# Altium PCB PCB_MotherBoard.PcbDoc (part 3 of 4)
Units mm, origin at the board's own origin, x right, y up, seen from the top; angles counter-clockwise.
Board outline 240 x 180 mm, 6 copper layers (Top Layer, Int1 (GND), Int2 (Sign), Int3 (Sign), Int4 (PWR), Bottom Layer), stack 1.481 mm thick; 214 components, 253 nets, 1237 pads, 870 vias.
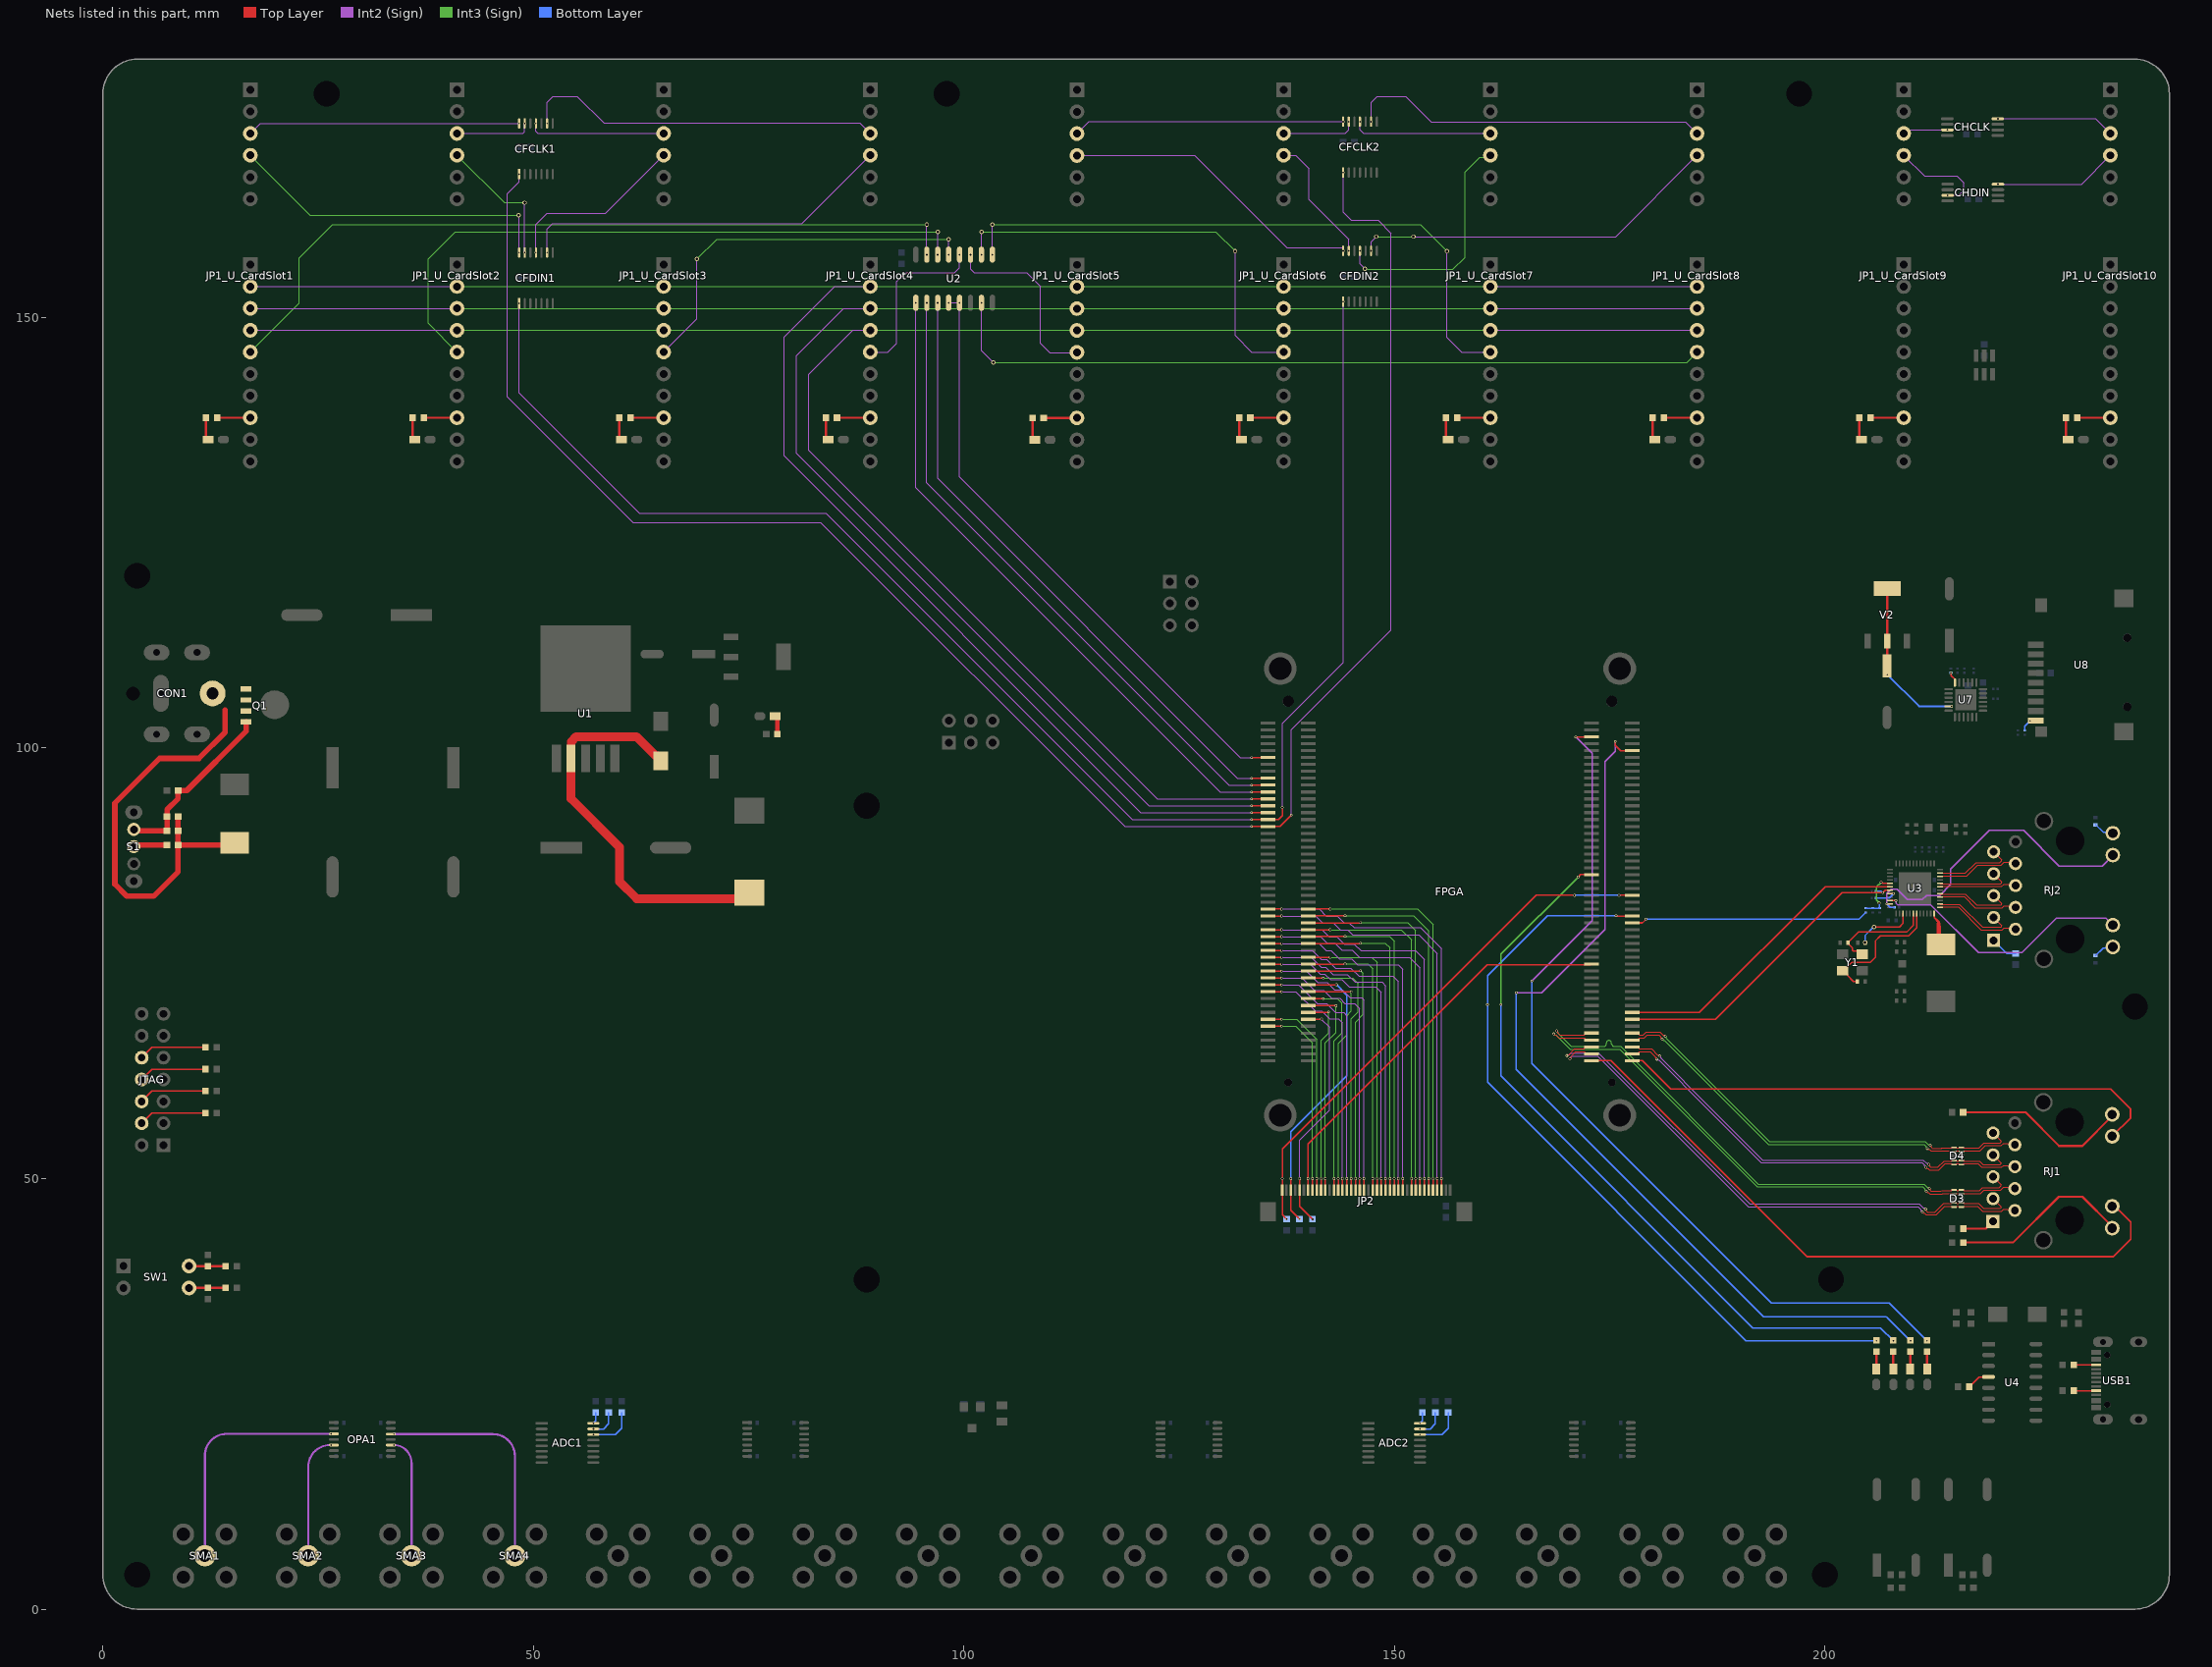
[diagram p7: the nets of this part, all layers, seen from the top]

## Via types
v1: diameter 0.3, hole 0.2, Top Layer to Bottom Layer, tented both sides, 435 vias
v2: diameter 0.5, hole 0.3, Top Layer to Bottom Layer, tented both sides, 268 vias
v3: diameter 0.5, hole 0.3, Top Layer to Bottom Layer, 118 vias
v4: diameter 0.35, hole 0.2, Top Layer to Bottom Layer, tented both sides, 16 vias
v5: diameter 1, hole 0.6, Top Layer to Bottom Layer, tented both sides, 12 vias
v6: diameter 0.45, hole 0.3, Top Layer to Bottom Layer, tented both sides, 12 vias
v7: diameter 0.61, hole 0.305, Top Layer to Bottom Layer, tented both sides, 4 vias
v8: diameter 2, hole 1.5, Top Layer to Bottom Layer, 4 vias
v9: diameter 0.6, hole 0.4, Top Layer to Bottom Layer, tented both sides, 1 vias

## Nets (pads, with @x,y where several pads share a name; then routed paths per layer and width w, separated by ;. In a path a pad name is that pad's centre, name@x,y a point inside that pad or via, vN(x,y) a via of type N, cw(c..) or ccw(c..) an arc to the next point about the centre after c; other vN are vias at no path point) (continued)
HSCLK9: CHCLK.3 JP1_U_CardSlot9.3 | length 5.2
  Int2 (Sign) w0.142: JP1_U_CardSlot9.3@209.143,171.385 209.554,171.385 209.969,171.8 v1(214.213,171.8)
HSCLK10: CHCLK.8 JP1_U_CardSlot10.3 | length 13.8
  Int2 (Sign) w0.142: v1(220.1,173.1) 231.428,173.1 JP1_U_CardSlot10.3@233.143,171.385
HSDIN9: CHDIN.3 JP1_U_CardSlot9.4 | length 11.3
  Int2 (Sign) w0.142: JP1_U_CardSlot9.4@209.143,168.845 211.563,166.425 215.325,166.425 216.125,165.625 216.125,164.764 215.556,164.194 v1(214.238,164.194)
HSDIN10: CHDIN.8 JP1_U_CardSlot10.4 | length 14.4
  Int2 (Sign) w0.142: v1(220.092,165.5) 229.798,165.5 JP1_U_CardSlot10.4@233.143,168.845
IIC_SCL: FPGA.J1_24 JP2.3 R38.1 | length 34.1
  Top Layer w0.156: v1(137.975,50) JP2.3@137.975,48.65 137.975,46.325 v1(139,45.3) ; FPGA.J1_24@140.016,72.5 140.028,72.513 143.238,72.513 v1(143.25,72.525)
  Bottom Layer w0.156: v1(137.975,50) 137.975,55.45 144.475,61.95 144.475,71.3 v1(143.25,72.525)
IIC_SDA: FPGA.J1_14 JP2.5 R37.1 | length 27.2
  Top Layer w0.156: v1(138.975,50) JP2.5@138.975,48.65 138.975,46.8 v1(140.5,45.275) ; FPGA.J1_14@140.016,68.5 140.028,68.513 141.513,68.513 v1(141.525,68.525)
  Int2 (Sign) w0.142: v1(138.975,50) 138.975,54.45 142.45,57.925 142.45,67.6 v1(141.525,68.525)
LAD0: FPGA.J1_73 JP1_U_CardSlot1.8 JP1_U_CardSlot2.8 JP1_U_CardSlot3.8 JP1_U_CardSlot4.8 JP1_U_CardSlot5.8 JP1_U_CardSlot6.8 JP1_U_CardSlot7.8 JP1_U_CardSlot8.8 | length 267.6
  Top Layer w0.156: v1(133.4,92.5) FPGA.J1_73@135.316,92.5
  Int2 (Sign) w0.142: JP1_U_CardSlot1.8@17.125,153.61 JP1_U_CardSlot2.8@41.125,153.61 ; JP1_U_CardSlot4.8@89.125,153.61 85.001,153.61 79.125,147.734 79.125,133.925 120.55,92.5 v1(133.4,92.5) ; JP1_U_CardSlot7.8@161.143,153.605 JP1_U_CardSlot8.8@185.143,153.605
  Int3 (Sign) w0.142: JP1_U_CardSlot2.8@41.125,153.61 JP1_U_CardSlot3.8@65.125,153.61 JP1_U_CardSlot4.8@89.125,153.61 89.138,153.598 113.113,153.598 JP1_U_CardSlot5.8@113.125,153.585 113.137,153.598 137.112,153.598 JP1_U_CardSlot6.8@137.125,153.61 137.127,153.608 161.141,153.608 JP1_U_CardSlot7.8@161.143,153.605
LAD1: FPGA.J1_75 JP1_U_CardSlot1.9 JP1_U_CardSlot2.9 JP1_U_CardSlot3.9 JP1_U_CardSlot4.9 JP1_U_CardSlot5.9 JP1_U_CardSlot6.9 JP1_U_CardSlot7.9 JP1_U_CardSlot8.9 | length 262
  Top Layer w0.156: v1(133.4,93.3) FPGA.J1_75@135.316,93.3
  Int2 (Sign) w0.142: JP1_U_CardSlot1.9@17.125,151.07 JP1_U_CardSlot2.9@41.125,151.07 ; JP1_U_CardSlot4.9@89.125,151.07 86.053,151.07 80.55,145.567 80.55,134.225 121.475,93.3 v1(133.4,93.3) ; JP1_U_CardSlot7.9@161.143,151.065 JP1_U_CardSlot8.9@185.143,151.065
  Int3 (Sign) w0.142: JP1_U_CardSlot2.9@41.125,151.07 JP1_U_CardSlot3.9@65.125,151.07 JP1_U_CardSlot4.9@89.125,151.07 89.138,151.058 113.113,151.058 JP1_U_CardSlot5.9@113.125,151.045 113.137,151.058 137.112,151.058 JP1_U_CardSlot6.9@137.125,151.07 137.127,151.068 161.141,151.068 JP1_U_CardSlot7.9@161.143,151.065
LAD2: FPGA.J1_77 JP1_U_CardSlot1.10 JP1_U_CardSlot2.10 JP1_U_CardSlot3.10 JP1_U_CardSlot4.10 JP1_U_CardSlot5.10 JP1_U_CardSlot6.10 JP1_U_CardSlot7.10 JP1_U_CardSlot8.10 | length 256.2
  Top Layer w0.156: v1(133.4,94.1) FPGA.J1_77@135.316,94.1
  Int2 (Sign) w0.142: JP1_U_CardSlot1.10@17.125,148.53 JP1_U_CardSlot2.10@41.125,148.53 ; JP1_U_CardSlot4.10@89.125,148.53 87.105,148.53 82,143.425 82,134.575 122.475,94.1 v1(133.4,94.1) ; JP1_U_CardSlot7.10@161.143,148.525 JP1_U_CardSlot8.10@185.143,148.525
  Int3 (Sign) w0.142: JP1_U_CardSlot2.10@41.125,148.53 JP1_U_CardSlot3.10@65.125,148.53 JP1_U_CardSlot4.10@89.125,148.53 89.138,148.518 113.113,148.518 JP1_U_CardSlot5.10@113.125,148.505 113.137,148.518 137.112,148.518 JP1_U_CardSlot6.10@137.125,148.53 137.127,148.528 161.141,148.528 JP1_U_CardSlot7.10@161.143,148.525
LAD3: FPGA.J1_79 U2.1 | length 77
  Top Layer w0.156: v1(133.4,94.9) FPGA.J1_79@135.316,94.9
  Int2 (Sign) w0.142: v1(94.42,151.712) 94.42,130.263 129.783,94.9 v1(133.4,94.9)
LAD4: FPGA.J1_81 U2.2 | length 75.1
  Top Layer w0.156: v1(133.4,95.701) FPGA.J1_81@135.316,95.701
  Int2 (Sign) w0.142: v1(95.69,151.712) 95.69,130.789 130.778,95.701 v1(133.4,95.701)
LAD5: FPGA.J1_83 U2.3 | length 73.2
  Top Layer w0.156: v1(133.4,96.501) FPGA.J1_83@135.316,96.501
  Int2 (Sign) w0.142: v1(96.96,151.712) 96.96,131.315 131.774,96.501 v1(133.4,96.501)
LCD_B0: FPGA.J1_27 JP2.20 | length 34.6
  Top Layer w0.156: FPGA.J1_27@135.316,74.1 v1(136.9,74.1) ; JP2.20@146.475,48.65 v1(146.475,50)
  Int2 (Sign) w0.142: v1(136.9,74.1) 139.775,74.1 141.125,72.75 142.2,72.75 143.05,71.9 143.975,71.9 144.875,71 146.225,71 146.475,70.75 v1(146.475,50)
LCD_B1: FPGA.J1_25 JP2.19 | length 33.2
  Top Layer w0.156: FPGA.J1_25@135.316,73.3 v1(136.9,73.3) ; JP2.19@145.975,48.65 v1(145.975,50)
  Int2 (Sign) w0.142: v1(136.9,73.3) 139.275,73.3 140.725,71.85 141.8,71.85 142.725,70.925 143.65,70.925 144.25,70.325 145.4,70.325 145.975,69.75 v1(145.975,50)
LCD_B2: FPGA.J1_28 JP2.18 | length 32
  Top Layer w0.156: FPGA.J1_28@140.016,74.1 145.961,74.1 146.011,74.15 v1(146.05,74.15) ; JP2.18@145.475,48.65 v1(145.475,50)
  Int3 (Sign) w0.142: v1(145.475,50) 145.475,68.175 146.35,69.05 146.35,73.85 v1(146.05,74.15)
LCD_B3: FPGA.J1_26 JP2.17 | length 30.4
  Top Layer w0.156: FPGA.J1_26@140.016,73.3 140.028,73.288 141.712,73.288 v1(141.725,73.275) ; JP2.17@144.975,48.65 v1(144.975,50)
  Int3 (Sign) w0.142: v1(141.725,73.275) 145.15,73.275 145.775,72.65 145.775,69.35 144.975,68.55 v1(144.975,50)
LCD_B4: FPGA.J1_23 JP2.16 | length 30.9
  Top Layer w0.156: FPGA.J1_23@135.316,72.5 v1(136.9,72.5) ; JP2.16@144.475,48.65 v1(144.475,50)
  Int2 (Sign) w0.142: v1(136.9,72.5) 138.875,72.5 141.075,70.3 142.122,70.3 143.147,69.275 144.1,69.275 144.475,68.9 v1(144.475,50)
LCD_B5: FPGA.J1_21 JP2.15 | length 29.6
  Top Layer w0.156: FPGA.J1_21@135.316,71.7 v1(136.9,71.7) ; JP2.15@143.975,48.65 v1(143.975,50)
  Int2 (Sign) w0.142: v1(136.9,71.7) 138.55,71.7 140.8,69.45 141.578,69.45 142.478,68.55 143.525,68.55 143.975,68.1 v1(143.975,50)
LCD_B6: FPGA.J1_22 JP2.14 | length 28.7
  Top Layer w0.156: FPGA.J1_22@140.016,71.7 140.041,71.675 v1(145,71.675) ; JP2.14@143.475,48.65 v1(143.475,50)
  Int3 (Sign) w0.142: v1(143.475,50) 143.475,65.725 144.45,66.7 144.45,68.925 145,69.475 v1(145,71.675)
LCD_B7: FPGA.J1_20 JP2.13 | length 26.2
  Top Layer w0.156: FPGA.J1_20@140.016,70.9 v1(141.725,70.9) ; JP2.13@142.975,48.65 v1(142.975,50)
  Int3 (Sign) w0.142: v1(141.725,70.9) 143.375,70.9 143.9,70.375 143.9,66.925 142.975,66 v1(142.975,50)
LCD_BL: FPGA.J2_29 JP2.7 | length 46.9
  Top Layer w0.156: JP2.7@139.975,48.65 v1(139.975,50) 139.975,54.025 160.772,74.822 172.822,74.822 FPGA.J2_29@172.9,74.9
LCD_CLK: FPGA.J1_18 JP2.11 | length 25.1
  Top Layer w0.156: FPGA.J1_18@140.016,70.1 140.028,70.087 143.188,70.087 v1(143.2,70.075) ; JP2.11@141.975,48.65 v1(141.975,50)
  Int3 (Sign) w0.142: v1(141.975,50) 141.975,65.75 143.2,66.975 v1(143.2,70.075)
LCD_DE: FPGA.J1_11 JP2.8 | length 23.1
  Top Layer w0.156: FPGA.J1_11@135.316,67.7 v1(136.9,67.7) ; JP2.8@140.475,48.65 v1(140.475,50)
  Int3 (Sign) w0.142: v1(136.9,67.7) 138.525,67.7 140.475,65.75 v1(140.475,50)
LCD_G0: FPGA.J1_35 JP2.29 | length 42.6
  Top Layer w0.156: FPGA.J1_35@135.316,77.3 v1(136.9,77.3) ; JP2.29@150.975,48.65 v1(150.975,50)
  Int2 (Sign) w0.142: v1(136.9,77.3) 141.25,77.3 142.075,76.475 142.65,76.475 143.625,75.5 145.025,75.5 145.7,74.825 150.45,74.825 150.975,74.3 v1(150.975,50)
LCD_G1: FPGA.J1_33 JP2.28 | length 40.9
  Top Layer w0.156: FPGA.J1_33@135.316,76.5 v1(136.9,76.5) ; JP2.28@150.475,48.65 v1(150.475,50)
  Int2 (Sign) w0.142: v1(136.9,76.5) 140.475,76.5 141.5,75.475 142.103,75.475 143.128,74.45 144.95,74.45 145.875,73.525 149.85,73.525 150.475,72.9 v1(150.475,50)
LCD_G2: FPGA.J1_38 JP2.27 | length 39.1
  Top Layer w0.156: FPGA.J1_38@140.016,78.1 140.028,78.112 144.263,78.112 v1(144.275,78.125) ; JP2.27@149.975,48.65 v1(149.975,50)
  Int3 (Sign) w0.142: v1(144.275,78.125) 149.425,78.125 149.975,77.575 v1(149.975,50)
LCD_G3: FPGA.J1_36 JP2.26 | length 37.9
  Top Layer w0.156: FPGA.J1_36@140.016,77.3 145.961,77.3 146.011,77.35 v1(146.05,77.35) ; JP2.26@149.475,48.65 v1(149.475,50)
  Int3 (Sign) w0.142: v1(146.05,77.35) 148.925,77.35 149.475,76.8 v1(149.475,50)
LCD_G4: FPGA.J1_31 JP2.25 | length 38.8
  Top Layer w0.156: FPGA.J1_31@135.316,75.7 v1(136.9,75.7) ; JP2.25@148.975,48.65 v1(148.975,50)
  Int2 (Sign) w0.142: v1(136.9,75.7) 140.375,75.7 141.525,74.55 142,74.55 142.85,73.7 144.55,73.7 145.425,72.825 148.55,72.825 148.975,72.4 v1(148.975,50)
LCD_G5: FPGA.J1_29 JP2.24 | length 37.5
  Top Layer w0.156: FPGA.J1_29@135.316,74.9 v1(136.9,74.9) ; JP2.24@148.475,48.65 v1(148.475,50)
  Int2 (Sign) w0.142: v1(136.9,74.9) 140.23,74.9 141.38,73.75 141.922,73.75 142.568,73.104 143.896,73.104 144.725,72.275 147.85,72.275 148.475,71.65 v1(148.475,50)
LCD_G6: FPGA.J1_32 JP2.23 | length 34.7
  Top Layer w0.156: FPGA.J1_32@140.016,75.7 v1(142.55,75.7) ; JP2.23@147.975,48.65 v1(147.975,50)
  Int3 (Sign) w0.142: v1(142.55,75.7) 147.375,75.7 147.975,75.1 v1(147.975,50)
LCD_G7: FPGA.J1_30 JP2.22 | length 33.4
  Top Layer w0.156: FPGA.J1_30@140.016,74.9 140.028,74.913 144.263,74.913 v1(144.275,74.925) ; JP2.22@147.475,48.65 v1(147.475,50)
  Int3 (Sign) w0.142: v1(144.275,74.925) 146.9,74.925 147.475,74.35 v1(147.475,50)
LCD_HSYNC: FPGA.J1_16 JP2.10 | length 23.4
  Top Layer w0.156: FPGA.J1_16@140.016,69.3 140.041,69.325 142.325,69.325 v1(142.35,69.35) ; JP2.10@141.475,48.65 v1(141.475,50)
  Int3 (Sign) w0.142: v1(141.475,50) 141.475,66.025 142.35,66.9 v1(142.35,69.35)
LCD_R0: FPGA.J1_45 JP2.38 | length 50.1
  Top Layer w0.156: FPGA.J1_45@135.316,81.3 v1(136.9,81.3) ; JP2.38@155.475,48.65 v1(155.475,50)
  Int2 (Sign) w0.142: v1(136.9,81.3) 141.275,81.3 142.1,80.475 143.4,80.475 144.175,79.7 144.775,79.7 145.325,79.15 153.025,79.15 155.475,76.7 v1(155.475,50)
LCD_R1: FPGA.J1_43 JP2.37 | length 49
  Top Layer w0.156: FPGA.J1_43@135.316,80.5 v1(136.9,80.5) ; JP2.37@154.975,48.65 v1(154.975,50)
  Int2 (Sign) w0.142: v1(136.9,80.5) 140.85,80.5 141.675,79.675 142.95,79.675 143.75,78.875 144.6,78.875 145.175,78.3 152.825,78.3 154.975,76.15 v1(154.975,50)
LCD_R2: FPGA.J1_46 JP2.36 | length 46.1
  Top Layer w0.156: FPGA.J1_46@140.016,81.3 v1(142.55,81.3) ; JP2.36@154.475,48.65 v1(154.475,50)
  Int3 (Sign) w0.142: v1(142.55,81.3) 152.675,81.3 154.475,79.5 v1(154.475,50)
LCD_R3: FPGA.J1_44 JP2.35 | length 44.8
  Top Layer w0.156: FPGA.J1_44@140.016,80.5 140.028,80.512 144.263,80.512 v1(144.275,80.525) ; JP2.35@153.975,48.65 v1(153.975,50)
  Int3 (Sign) w0.142: v1(144.275,80.525) 152.225,80.525 153.975,78.775 v1(153.975,50)
LCD_R4: FPGA.J1_39 JP2.34 | length 46.4
  Top Layer w0.156: FPGA.J1_39@135.316,78.9 v1(136.9,78.9) ; JP2.34@153.475,48.65 v1(153.475,50)
  Int2 (Sign) w0.142: v1(136.9,78.9) 141.6,78.9 142.4,78.1 143.325,78.1 144.175,77.25 145.325,77.25 146.1,76.475 152.467,76.475 153.475,75.467 v1(153.475,50)
LCD_R5: FPGA.J1_37 JP2.33 | length 45
  Top Layer w0.156: FPGA.J1_37@135.316,78.1 v1(136.9,78.1) ; JP2.33@152.975,48.65 v1(152.975,50)
  Int2 (Sign) w0.142: v1(136.9,78.1) 141.425,78.1 142.175,77.35 143.1,77.35 143.9,76.55 145.1,76.55 145.975,75.675 151.775,75.675 152.975,74.475 v1(152.975,50)
LCD_R6: FPGA.J1_42 JP2.32 | length 43
  Top Layer w0.156: FPGA.J1_42@140.016,79.7 145.961,79.7 146.011,79.75 v1(146.05,79.75) ; JP2.32@152.475,48.65 v1(152.475,50)
  Int3 (Sign) w0.142: v1(146.05,79.75) 151.55,79.75 152.475,78.825 v1(152.475,50)
LCD_R7: FPGA.J1_40 JP2.31 | length 41.5
  Top Layer w0.156: FPGA.J1_40@140.016,78.9 v1(142.55,78.9) ; JP2.31@151.975,48.65 v1(151.975,50)
  Int3 (Sign) w0.142: v1(142.55,78.9) 150.8,78.9 151.975,77.725 v1(151.975,50)
LCD_RST: C36.1 FPGA.J2_50 JP2.1 | length 61.2
  Top Layer w0.156: v1(137.475,45.3) 136.975,45.8 JP2.1@136.975,48.65 v1(136.975,50) 136.975,53.425 166.475,82.925 170.875,82.925 v1(170.9,82.9) ; v1(176.075,82.9) FPGA.J2_50@177.6,82.9
  Bottom Layer w0.156: v1(170.9,82.9) v1(176.075,82.9)
LCD_VSYNC: FPGA.J1_13 JP2.9 | length 24.1
  Top Layer w0.156: FPGA.J1_13@135.316,68.5 v1(136.9,68.5) ; JP2.9@140.975,48.65 v1(140.975,50)
  Int3 (Sign) w0.142: v1(136.9,68.5) 138.625,68.5 140.975,66.15 v1(140.975,50)
LCLK: CFCLK1.1 CFCLK2.1 FPGA.J1_69 | length 222.2
  Top Layer w0.156: v1(133.4,90.9) FPGA.J1_69@135.316,90.9 135.328,90.913 136.713,90.913 v1(138.025,92.225)
  Int2 (Sign) w0.142: v1(48.349,166.65) 48.347,166.648 48.347,165.747 47,164.4 47,140.8 61.6,126.2 83.375,126.2 118.675,90.9 v1(133.4,90.9) ; v1(138.025,92.225) 138.025,102.125 149.6,113.7 149.6,159.8 148.1,161.3 145,161.3 144.049,162.251 v1(144.049,166.85)
LCTR: FPGA.J1_89 U2.4 U2.5 | length 70.8
  Top Layer w0.156: v1(133.4,98.901) FPGA.J1_89@135.316,98.901
  Int2 (Sign) w0.142: v1(98.23,151.712) v1(99.5,151.712) 99.5,131.5 132.099,98.901 v1(133.4,98.901)
LDIN: CFDIN1.1 CFDIN2.1 FPGA.J1_71 | length 182.4
  Top Layer w0.156: v1(133.4,91.7) FPGA.J1_71@135.316,91.7 135.991,91.7 136.525,91.7 136.975,92.15 v1(136.975,93.1)
  Int2 (Sign) w0.142: v1(48.349,151.65) 48.349,141.251 62.3,127.3 83.975,127.3 119.575,91.7 v1(133.4,91.7) ; v1(136.975,93.1) 136.975,102.875 144.049,109.949 v1(144.049,151.85)
LEN1: JP1_U_CardSlot1.11 U2.15 | length 91.3
  Int2 (Sign) w0.142: v1(95.69,157.3) v2(95.69,160.8)
  Int3 (Sign) w0.142: JP1_U_CardSlot1.11@17.125,145.99 22.8,151.665 22.8,156.9 26.7,160.8 v2(95.69,160.8)
LEN2: JP1_U_CardSlot2.11 U2.14 | length 75.3
  Int2 (Sign) w0.142: v1(96.96,157.3) v2(96.96,159.95)
  Int3 (Sign) w0.142: JP1_U_CardSlot2.11@41.125,145.99 37.8,149.315 37.8,156.8 40.95,159.95 v2(96.96,159.95)
LEN3: JP1_U_CardSlot3.11 U2.13 | length 44.4
  Int2 (Sign) w0.142: JP1_U_CardSlot3.11@65.125,145.99 69,149.865 v2(69,156.8) ; v1(98.23,157.3) v2(98.23,159.1)
  Int3 (Sign) w0.142: v2(69,156.8) 71.3,159.1 v2(98.23,159.1)
LEN4: JP1_U_CardSlot4.11 U2.12 | length 20.2
  Int2 (Sign) w0.142: JP1_U_CardSlot4.11@89.125,145.99 91.19,145.99 92.2,147 92.2,154.2 93.2,155.2 98.9,155.2 99.5,155.8 v1(99.5,157.3)
LEN5: JP1_U_CardSlot5.11 U2.11 | length 21.9
  Int2 (Sign) w0.142: v1(100.77,157.3) 100.77,155.63 101.2,155.2 107.3,155.2 108.9,153.6 108.9,147 110,145.9 113.06,145.9 JP1_U_CardSlot5.11@113.125,145.965
LEN6: JP1_U_CardSlot6.11 U2.10 | length 49.3
  Int2 (Sign) w0.142: v1(102.04,157.3) v2(102.04,159.95) ; v2(131.5,157.7) 131.5,147.9 133.41,145.99 JP1_U_CardSlot6.11@137.125,145.99
  Int3 (Sign) w0.142: v2(102.04,159.95) 129.25,159.95 v2(131.5,157.7)
LEN7: JP1_U_CardSlot7.11 U2.9 | length 73.4
  Int2 (Sign) w0.142: v1(103.31,157.3) v2(103.31,160.8) ; v2(156.1,157.7) 156.1,147.7 157.815,145.985 JP1_U_CardSlot7.11@161.143,145.985
  Int3 (Sign) w0.142: v2(103.31,160.8) 153,160.8 v2@156.128,157.672
LEN8: JP1_U_CardSlot8.11 U2.7 | length 89.7
  Int2 (Sign) w0.142: v1(102.04,151.712) 102.04,146.16 v2(103.4,144.8)
  Int3 (Sign) w0.142: v2(103.4,144.8) 183.958,144.8 JP1_U_CardSlot8.11@185.143,145.985
LSCLK1: CFCLK1.14 JP1_U_CardSlot1.3 | length 31.7
  Int2 (Sign) w0.142: JP1_U_CardSlot1.3@17.125,171.39 18.285,172.55 v1(48.349,172.55)
LSCLK2: CFCLK1.13 JP1_U_CardSlot2.3 | length 8.9
  Int2 (Sign) w0.142: JP1_U_CardSlot2.3@41.125,171.39 48.79,171.39 48.999,171.599 v1(48.999,172.55)
LSCLK3: CFCLK1.11 JP1_U_CardSlot3.3 | length 15.9
  Int2 (Sign) w0.142: v1(50.299,172.55) 50.299,171.605 50.515,171.39 JP1_U_CardSlot3.3@65.125,171.39
LSCLK4: CFCLK1.9 JP1_U_CardSlot4.3 | length 42.1
  Int2 (Sign) w0.142: v1(51.599,172.55) 51.599,174.999 52.3,175.7 55.1,175.7 58.2,172.6 87.915,172.6 JP1_U_CardSlot4.3@89.125,171.39
LSCLK5: CFCLK2.14 JP1_U_CardSlot5.3 | length 31.5
  Int2 (Sign) w0.142: JP1_U_CardSlot5.3@113.125,171.365 114.51,172.75 v1(144.049,172.75)
LSCLK6: CFCLK2.13 JP1_U_CardSlot6.3 | length 8.7
  Int2 (Sign) w0.142: JP1_U_CardSlot6.3@137.125,171.39 144.29,171.39 144.699,171.799 v1(144.699,172.75)
LSCLK7: CFCLK2.11 JP1_U_CardSlot7.3 | length 16.3
  Int2 (Sign) w0.142: v1(145.999,172.75) 145.999,171.801 146.4,171.4 161.128,171.4 JP1_U_CardSlot7.3@161.143,171.385
LSCLK8: CFCLK2.9 JP1_U_CardSlot8.3 | length 42.2
  Int2 (Sign) w0.142: v1(147.299,172.75) 147.299,174.999 148,175.7 151.3,175.7 154.3,172.7 183.828,172.7 JP1_U_CardSlot8.3@185.143,171.385
LSDIN1: CFDIN1.14 JP1_U_CardSlot1.4 | length 38.4
  Int2 (Sign) w0.142: v2(48.3,161.9) 48.3,161.833 48.349,161.784 v1(48.349,157.55)
  Int3 (Sign) w0.142: JP1_U_CardSlot1.4@17.125,168.85 24.075,161.9 v2(48.3,161.9)
LSDIN2: CFDIN1.13 JP1_U_CardSlot2.4 | length 15.9
  Int2 (Sign) w0.142: v2(48.996,163.341) 48.999,163.338 v1(48.999,157.55)
  Int3 (Sign) w0.142: JP1_U_CardSlot2.4@41.125,168.85 46.634,163.341 v2(48.996,163.341)
LSDIN3: CFDIN1.11 JP1_U_CardSlot3.4 | length 21.4
  Int2 (Sign) w0.142: v1(50.299,157.55) 50.299,160.799 51.6,162.1 58.375,162.1 JP1_U_CardSlot3.4@65.125,168.85
LSDIN4: CFDIN1.9 JP1_U_CardSlot4.4 | length 43.8
  Int2 (Sign) w0.142: v1(51.599,157.55) 51.599,160.299 52.2,160.9 81.175,160.9 JP1_U_CardSlot4.4@89.125,168.85
LSDIN5: CFDIN2.14 JP1_U_CardSlot5.4 | length 35.7
  Int2 (Sign) w0.142: JP1_U_CardSlot5.4@113.125,168.825 126.775,168.825 137.502,158.098 144.047,158.098 144.049,158.096 v1(144.049,157.75)
LSDIN6: CFDIN2.13 JP1_U_CardSlot6.4 | length 15.1
  Int2 (Sign) w0.142: JP1_U_CardSlot6.4@137.125,168.85 138.55,168.85 140.1,167.3 140.1,163.7 144.699,159.101 v1(144.699,157.75)
LSDIN7: CFDIN2.11 JP1_U_CardSlot7.4 | length 28.2
  Int2 (Sign) w0.142: v1(146,157.75) 146,156.225 v2(146.575,155.65)
  Int3 (Sign) w0.142: v2(146.575,155.65) 146.625,155.6 156.8,155.6 158.2,157 158.2,166.9 159.912,168.612 160.91,168.612 JP1_U_CardSlot7.4@161.143,168.845
LSDIN8: CFDIN2.9 JP1_U_CardSlot8.4 | length 43.1
  Int2 (Sign) w0.142: v1(147.299,157.75) 147.299,158.799 v2(147.9,159.4) ; v2(152.2,159.4) 175.698,159.4 JP1_U_CardSlot8.4@185.143,168.845
  Int3 (Sign) w0.142: v2(147.9,159.4) v2(152.2,159.4)
NetADC1_14: ADC1.14 R31.1 | length 5.4
  Bottom Layer w0.156: v1(56.971,20.275) 59.525,20.275 60.25,21 R31.1@60.25,22.85
NetADC1_15: ADC1.15 R30.1 | length 3.4
  Bottom Layer w0.156: v1(56.971,20.925) 58.175,20.925 58.75,21.5 R30.1@58.75,22.85
NetADC1_16: ADC1.16 R29.1 | length 1.4
  Bottom Layer w0.156: v1(56.971,21.575) 57.25,21.854 R29.1@57.25,22.85
NetADC2_14: ADC2.14 R34.1 | length 5.4
  Bottom Layer w0.156: v1(152.971,20.275) 155.525,20.275 156.25,21 R34.1@156.25,22.85
NetADC2_15: ADC2.15 R33.1 | length 3.4
  Bottom Layer w0.156: v1(152.971,20.925) 154.175,20.925 154.75,21.5 R33.1@154.75,22.85
NetADC2_16: ADC2.16 R32.1 | length 1.4
  Bottom Layer w0.156: v1(152.971,21.575) 153.25,21.854 R32.1@153.25,22.85
NetC1_1: C1.1 Q1.4 R2.1 R3.2 S1.1 | length 20.9
  Top Layer w0.635: S1.1@3.6,90.549 3.749,90.4 R2.1@7.45,90.4 C1.1@7.45,92.05 7.469,92.069 7.469,92.869 8.75,94.15 R3.2@8.75,95.05 8.769,95.069 9.751,95.069 16.637,101.956 Q1.4@16.637,103.035
NetC1_2: C1.2 CON1.1 D1.2 Q1.1 Q1.2 Q1.3 R1.2 R2.2 | length 50.3
  Top Layer w0.635: C1.2@8.75,92.05 R2.2@8.75,90.4 R1.2@8.75,88.75 ; 14.2,104.4 14.2,101.83 11.17,98.8 6.6,98.8 1.4,93.6 1.4,84.2 2.8,82.8 5.9,82.8 8.75,85.65 R1.2@8.75,88.75 ; D1.2@15.3,89 15.05,88.75 R1.2@8.75,88.75
NetC25_2: C25.2 U4.4 | length 2.7
  Top Layer w0.156: C25.2@216.75,25.825 217.89,26.965 U4.4@218.999,26.965
NetC30_1: C30.1 RJ2.1 | length 3.2
  Bottom Layer w0.18: RJ2.1@219.583,77.675 221.108,76.15 C30.1@222.15,76.15
NetC31_1: C31.1 RJ1.1 | length 4
  Top Layer w0.254: C31.1@216.075,44.175 218.67,44.175 RJ1.1@219.512,45.017 RJ1.1@219.33,45.2
NetC32_1: C32.1 U7.5 V2.2 | length 18
  Top Layer w0.305: C32.1@207.213,109.553 207.241,109.581 V2.2@207.241,112.436 V2.2@207.241,118.532
  Bottom Layer w0.203: v1(207.239,108.534) 210.922,104.851 v1(214.706,104.851)
NetD2_2: D2.2 L1.1 U1.2 | length 46
  Top Layer w1.016: D2.2@64.43,99.098 64.205,99.098 61.978,101.325 54.984,101.325 54.389,100.73 54.389,98.842 U1.2@54.372,98.825 54.372,94.128 60,88.5 60,84.5 62,82.5 74.375,82.5 L1.1@75.097,83.222
NetJP1_U_CardSlot1_14: JP1_U_CardSlot1.14 R0_U_CardSlot1.2 | length 3.9
  Top Layer w0.254: R0_U_CardSlot1.2@13.272,138.37 JP1_U_CardSlot1.14@17.125,138.37
NetJP1_U_CardSlot2_14: JP1_U_CardSlot2.14 R0_U_CardSlot2.2 | length 3.9
  Top Layer w0.254: R0_U_CardSlot2.2@37.272,138.37 JP1_U_CardSlot2.14@41.125,138.37
NetJP1_U_CardSlot3_14: JP1_U_CardSlot3.14 R0_U_CardSlot3.2 | length 3.9
  Top Layer w0.254: R0_U_CardSlot3.2@61.272,138.37 JP1_U_CardSlot3.14@65.125,138.37
NetJP1_U_CardSlot4_14: JP1_U_CardSlot4.14 R0_U_CardSlot4.2 | length 3.9
  Top Layer w0.254: R0_U_CardSlot4.2@85.272,138.37 JP1_U_CardSlot4.14@89.125,138.37
NetJP1_U_CardSlot5_14: JP1_U_CardSlot5.14 R0_U_CardSlot5.2 | length 3.9
  Top Layer w0.254: R0_U_CardSlot5.2@109.272,138.345 JP1_U_CardSlot5.14@113.125,138.345
NetJP1_U_CardSlot6_14: JP1_U_CardSlot6.14 R0_U_CardSlot6.2 | length 3.9
  Top Layer w0.254: R0_U_CardSlot6.2@133.272,138.37 JP1_U_CardSlot6.14@137.125,138.37
NetJP1_U_CardSlot7_14: JP1_U_CardSlot7.14 R0_U_CardSlot7.2 | length 3.9
  Top Layer w0.254: R0_U_CardSlot7.2@157.29,138.365 JP1_U_CardSlot7.14@161.143,138.365
NetJP1_U_CardSlot8_14: JP1_U_CardSlot8.14 R0_U_CardSlot8.2 | length 3.9
  Top Layer w0.254: R0_U_CardSlot8.2@181.29,138.365 JP1_U_CardSlot8.14@185.143,138.365
NetJP1_U_CardSlot9_14: JP1_U_CardSlot9.14 R0_U_CardSlot9.2 | length 3.9
  Top Layer w0.254: R0_U_CardSlot9.2@205.29,138.365 JP1_U_CardSlot9.14@209.143,138.365
NetJP1_U_CardSlot10_14: JP1_U_CardSlot10.14 R0_U_CardSlot10.2 | length 3.9
  Top Layer w0.254: R0_U_CardSlot10.2@229.29,138.365 JP1_U_CardSlot10.14@233.143,138.365
NetJTAG_4: JTAG.4 R4.1 | length 7.9
  Top Layer w0.156: JTAG.4@4.511,56.429 5.711,57.629 R4.1@11.936,57.629
NetJTAG_6: JTAG.6 R5.1 | length 7.9
  Top Layer w0.156: JTAG.6@4.511,58.969 5.711,60.169 R5.1@11.936,60.169
NetJTAG_8: JTAG.8 R6.1 | length 7.9
  Top Layer w0.156: JTAG.8@4.511,61.509 5.711,62.709 R6.1@11.936,62.709
NetJTAG_10: JTAG.10 R7.1 | length 7.9
  Top Layer w0.156: JTAG.10@4.511,64.049 5.711,65.249 R7.1@11.936,65.249
NetL2_1: L2.1 U3.48 | length 3.9
  Top Layer w0.156: U3.48@212.667,80.792 212.689,80.771 212.689,80.311 212.8,80.2
  Top Layer w0.203: 212.8,80.2 212.9,80.1
  Top Layer w0.254: 212.9,80.1 213.05,79.95
  Top Layer w0.305: 213.05,79.95 213.2,79.8
  Top Layer w0.381: 213.2,79.575 213.2,79.8
  Top Layer w0.457: 213.2,79.25 213.2,79.575
  Top Layer w0.508: 213.2,79.25 213.2,77.461 L2.1@213.46,77.2
NetLED0_1: LED0.1 R0.2 | length 2.2
  Top Layer w0.508: LED0.1@78.086,103.718 78.159,103.718 78.35,103.528 R0.2@78.35,101.625
NetLED0_U_CardSlot1_1: LED0_U_CardSlot1.1 R0_U_CardSlot1.1 | length 2.6
  Top Layer w0.254: R0_U_CardSlot1.1@11.972,138.37 11.972,136.094 LED0_U_CardSlot1.1@12.236,135.83
NetLED0_U_CardSlot2_1: LED0_U_CardSlot2.1 R0_U_CardSlot2.1 | length 2.6
  Top Layer w0.254: R0_U_CardSlot2.1@35.972,138.37 35.972,136.094 LED0_U_CardSlot2.1@36.236,135.83
NetLED0_U_CardSlot3_1: LED0_U_CardSlot3.1 R0_U_CardSlot3.1 | length 2.6
  Top Layer w0.254: R0_U_CardSlot3.1@59.972,138.37 59.972,136.094 LED0_U_CardSlot3.1@60.236,135.83
NetLED0_U_CardSlot4_1: LED0_U_CardSlot4.1 R0_U_CardSlot4.1 | length 2.6
  Top Layer w0.254: R0_U_CardSlot4.1@83.972,138.37 83.972,136.094 LED0_U_CardSlot4.1@84.236,135.83
NetLED0_U_CardSlot5_1: LED0_U_CardSlot5.1 R0_U_CardSlot5.1 | length 2.6
  Top Layer w0.254: R0_U_CardSlot5.1@107.972,138.345 107.972,136.069 LED0_U_CardSlot5.1@108.236,135.805
NetLED0_U_CardSlot6_1: LED0_U_CardSlot6.1 R0_U_CardSlot6.1 | length 2.6
  Top Layer w0.254: R0_U_CardSlot6.1@131.972,138.37 131.972,136.094 LED0_U_CardSlot6.1@132.236,135.83
NetLED0_U_CardSlot7_1: LED0_U_CardSlot7.1 R0_U_CardSlot7.1 | length 2.6
  Top Layer w0.254: R0_U_CardSlot7.1@155.99,138.365 155.99,136.089 LED0_U_CardSlot7.1@156.254,135.825
NetLED0_U_CardSlot8_1: LED0_U_CardSlot8.1 R0_U_CardSlot8.1 | length 2.6
  Top Layer w0.254: R0_U_CardSlot8.1@179.99,138.365 179.99,136.089 LED0_U_CardSlot8.1@180.254,135.825
NetLED0_U_CardSlot9_1: LED0_U_CardSlot9.1 R0_U_CardSlot9.1 | length 2.6
  Top Layer w0.254: R0_U_CardSlot9.1@203.99,138.365 203.99,136.089 LED0_U_CardSlot9.1@204.254,135.825
NetLED0_U_CardSlot10_1: LED0_U_CardSlot10.1 R0_U_CardSlot10.1 | length 2.6
  Top Layer w0.254: R0_U_CardSlot10.1@227.99,138.365 227.99,136.089 LED0_U_CardSlot10.1@228.254,135.825
NetPLED0_1: PLED0.1 R47.1 | length 2
  Top Layer w0.305: PLED0.1@205.968,27.865 R47.1@205.968,29.901
NetPLED1_1: PLED1.1 R48.1 | length 2
  Top Layer w0.305: PLED1.1@207.935,27.865 R48.1@207.935,29.901
NetPLED2_1: PLED2.1 R49.1 | length 2
  Top Layer w0.305: PLED2.1@209.901,27.865 R49.1@209.901,29.901
NetPLED3_1: PLED3.1 R50.1 | length 2
  Top Layer w0.305: PLED3.1@211.868,27.865 R50.1@211.868,29.901
NetR1_1: R1.1 S1.2 | length 3.9
  Top Layer w0.635: S1.2@3.6,88.55 3.77,88.72 4.387,88.72 4.416,88.75 R1.1@7.45,88.75
NetR8_1: R8.1 R10.1 SW1.4 | length 4.2
  Top Layer w0.305: SW1.4@10.02,39.84 R10.1@12.21,39.84 R8.1@14.26,39.84
NetR9_1: R9.1 R11.1 SW1.3 | length 4.2
  Top Layer w0.305: SW1.3@10.02,37.3 R11.1@12.21,37.3 R9.1@14.26,37.3
NetR12_1: R12.1 RJ1.11 | length 21.1
  Top Layer w0.254: R12.1@216.075,42.575 221.825,42.575 227.15,47.9 229.9,47.9 233.362,44.438 RJ1.11@233.362,44.246
NetR13_1: R13.1 RJ1.14 | length 20.6
  Top Layer w0.254: R13.1@216.05,57.7 223.3,57.7 227.2,53.8 229.9,53.8 233.362,57.262 RJ1.14@233.362,57.454
NetR14_1: R14.1 U3.39 | length 7
  Top Layer w0.18: v2(205.715,79.223) 208.648,79.223 209.067,79.642 U3.39@209.067,80.792 ; R14.1@204.65,77.4 v2(204.65,77.425) R14.1@204.65,77.4
  Bottom Layer w0.18: v2(204.65,77.425) 204.65,78.234 205.638,79.223 v2(205.715,79.223)
NetR15_1: R15.1 RJ2.11 | length 2.4
  Bottom Layer w0.18: R15.1@231.4,75.9 231.45,75.9 232.313,76.763 233.291,76.763 RJ2.11@233.432,76.903
NetR16_1: R16.1 RJ2.14 | length 2.4
  Bottom Layer w0.18: R16.1@231.4,91.1 231.45,91.1 232.313,90.237 233.306,90.237 RJ2.14@233.432,90.111
NetR35_2: R35.2 USB1.A5 | length 2.6
  Top Layer w0.18: R35.2@228.901,25.367 USB1.A5@231.476,25.367
NetR36_2: R36.2 USB1.B5 | length 2.6
  Top Layer w0.18: R36.2@228.901,28.367 USB1.B5@231.476,28.367
NetR39_2: R39.2 U7.24 | length 1.4
  Top Layer w0.18: v1(214.63,108.763) 214.653,108.74 214.653,108.422 215.077,107.998 215.077,107.623 U7.24@215.1,107.6
NetR46_1: R46.1 U8.9 | length 1.4
  Bottom Layer w0.156: R46.1@223.2,102.05 223.2,102.55 v1(223.825,103.175)
PHY1_AD0: FPGA.J2_1 RJ1.12 | length 77.8
  Top Layer w0.203: FPGA.J2_1@172.9,63.7 175.125,63.7 197.875,40.95 233.5,40.95 235.525,42.975 235.525,44.95 233.689,46.786 RJ1.12@233.362,46.786
PHY1_AD1: FPGA.J2_2 RJ1.13 | length 64.3
  Top Layer w0.203: FPGA.J2_2@177.6,63.7 178.8,63.7 182.1,60.4 233.175,60.4 235.5,58.075 235.5,57.052 RJ1.13@233.362,54.914
PHY1_MDI0_N: D3.2 D3.9 FPGA.J2_5 RJ1.3 | length 63.8
  Top Layer w0.124: v4(170.02,64.28) 170.036,64.28 170.172,64.416 170.279,64.416 170.927,65.064 172.039,65.064 172.112,65.136 172.112,65.187 172.225,65.3 FPGA.J2_5@172.9,65.3 ; v4(211.68,46.455) 211.68,46.439 211.816,46.303 211.816,46.196 211.889,46.123 212.786,46.123 213.777,47.114 214.7,47.114 214.786,47.2 D3.9@215.002,47.2 215.218,47.2 215.305,47.114 215.522,47.114 215.609,47.2 D3.2@215.825,47.2 216.041,47.2 216.128,47.114 217.866,47.114 218.416,46.563 220.377,46.563 220.45,46.636 220.45,46.739 RJ1.3@219.519,47.67
  Int2 (Sign) w0.113: v4(170.02,64.28) 170.044,64.28 170.174,64.41 170.282,64.41 170.44,64.569 173.728,64.569 191.247,47.05 210.954,47.05 211.418,46.585 211.526,46.585 211.656,46.455 v4(211.68,46.455)
PHY1_MDI0_P: D3.1 D3.10 FPGA.J2_3 RJ1.2 | length 63.6
  Top Layer w0.124: v4(170.375,63.925) 170.375,63.941 170.511,64.077 170.511,64.185 171.063,64.737 172.039,64.737 172.112,64.664 172.112,64.613 172.225,64.5 FPGA.J2_3@172.9,64.5 ; v4(211.325,46.1) 211.341,46.1 211.477,45.964 211.585,45.964 211.753,45.796 212.922,45.796 213.913,46.787 214.7,46.787 214.786,46.7 D3.10@215.002,46.7 215.218,46.7 215.305,46.787 215.522,46.787 215.609,46.7 D3.1@215.825,46.7 216.041,46.7 216.128,46.787 217.73,46.787 218.281,46.236 220.513,46.236 220.733,46.457 221.903,46.457 RJ1.2@222.059,46.301
  Int2 (Sign) w0.113: v4(170.375,63.925) 170.375,63.949 170.505,64.079 170.505,64.187 170.571,64.253 173.597,64.253 191.116,46.734 210.823,46.734 211.195,46.362 211.195,46.254 211.325,46.124 v4(211.325,46.1)
PHY1_MDI1_N: D3.5 D3.6 FPGA.J2_9 RJ1.5 | length 66.6
  Top Layer w0.124: v4(168.85,67.15) 168.85,67.134 168.986,66.998 168.986,66.89 169.212,66.664 172.039,66.664 172.112,66.736 172.112,66.787 172.225,66.9 FPGA.J2_9@172.9,66.9 ; v4(212.13,48.855) 212.13,48.839 212.266,48.703 212.266,48.596 212.339,48.523 213.461,48.523 213.553,48.615 214.7,48.615 214.786,48.702 D3.6@215.002,48.702 215.218,48.702 215.305,48.615 215.522,48.615 215.609,48.702 D3.5@215.825,48.702 216.041,48.702 216.128,48.615 217.953,48.615 218.311,48.973 220.247,48.973 220.45,49.176 220.45,49.279 RJ1.5@219.519,50.21
  Int3 (Sign) w0.113: v4(168.85,67.15) 168.85,67.134 168.986,66.998 168.986,66.89 170.528,65.348 173.825,65.348 174.305,65.348 ccw(c174.305,65.655) 174.612,65.655 174.612,65.736 cw(c174.918,65.736) 175.224,65.736 175.224,65.655 ccw(c175.531,65.655) 175.531,65.348 176.2,65.348 176.277,65.348 192.256,49.369 211.485,49.369 211.868,48.985 211.976,48.985 212.106,48.855 v4(212.13,48.855)
PHY1_MDI1_P: D3.4 D3.7 FPGA.J2_7 RJ1.4 | length 66.6
  Top Layer w0.124: v4(168.495,66.795) 168.511,66.795 168.647,66.659 168.754,66.659 169.077,66.336 172.039,66.336 172.112,66.264 172.112,66.213 172.225,66.1 FPGA.J2_7@172.9,66.1 ; v4(211.775,48.5) 211.791,48.5 211.927,48.364 212.035,48.364 212.203,48.196 213.596,48.196 213.688,48.288 214.7,48.288 214.786,48.201 D3.7@215.002,48.201 215.218,48.201 215.305,48.288 215.522,48.288 215.609,48.201 D3.4@215.825,48.201 216.041,48.201 216.128,48.288 218.088,48.288 218.447,48.646 220.383,48.646 220.733,48.997 221.903,48.997 RJ1.4@222.059,48.841
  Int3 (Sign) w0.113: v4(168.495,66.795) 168.511,66.795 168.647,66.659 168.754,66.659 170.392,65.021 176.141,65.021 192.12,49.042 211.365,49.042 211.645,48.762 211.645,48.654 211.775,48.524 v4(211.775,48.5)
PHY1_MDI2_N: D4.2 D4.9 FPGA.J2_6 RJ1.7 | length 50.9
  Top Layer w0.124: FPGA.J2_6@177.6,65.3 178.275,65.3 178.388,65.187 178.388,65.136 178.461,65.064 179.848,65.064 180.546,64.366 180.653,64.366 180.789,64.23 v4(180.805,64.23) ; v4(212.055,51.655) 212.055,51.639 212.191,51.503 212.191,51.396 212.264,51.323 213.112,51.323 213.827,52.038 214.7,52.038 214.786,52.125 D4.9@215.002,52.125 215.218,52.125 215.305,52.038 215.522,52.038 215.609,52.125 D4.2@215.825,52.125 216.041,52.125 216.128,52.038 217.943,52.038 218.338,51.643 220.377,51.643 220.45,51.716 220.45,51.819 RJ1.7@219.519,52.75
  Int2 (Sign) w0.113: v4(180.805,64.23) 180.805,64.206 180.935,64.076 180.935,63.968 186.34,58.564 192.739,52.164 211.414,52.164 211.793,51.785 211.901,51.785 212.031,51.655 v4(212.055,51.655)
PHY1_MDI2_P: D4.1 D4.10 FPGA.J2_4 RJ1.6 | length 51.2
  Top Layer w0.124: FPGA.J2_4@177.6,64.5 178.275,64.5 178.388,64.613 178.388,64.664 178.461,64.737 179.712,64.737 180.314,64.135 180.314,64.027 180.45,63.891 v4(180.45,63.875) ; v4(211.7,51.3) 211.716,51.3 211.852,51.164 211.96,51.164 212.128,50.996 213.247,50.996 213.962,51.711 214.7,51.711 214.786,51.624 D4.10@215.002,51.624 215.218,51.624 215.305,51.711 215.522,51.711 215.609,51.624 D4.1@215.825,51.624 216.041,51.624 216.128,51.711 217.808,51.711 218.203,51.316 220.513,51.316 220.733,51.537 221.903,51.537 RJ1.6@222.059,51.381
  Int2 (Sign) w0.113: v4(180.45,63.875) 180.474,63.875 180.604,63.745 180.712,63.745 186.209,58.248 192.608,51.848 211.283,51.848 211.57,51.562 211.57,51.454 211.7,51.324 v4(211.7,51.3)
PHY1_MDI3_N: D4.5 D4.6 FPGA.J2_10 RJ1.9 | length 50.7
  Top Layer w0.124: FPGA.J2_10@177.6,66.9 178.275,66.9 178.388,66.787 178.388,66.736 178.461,66.664 178.906,66.664 179.235,66.993 180.868,66.993 181.196,66.666 181.303,66.666 181.439,66.53 v4(181.455,66.53) ; v4(212.23,53.855) 212.23,53.839 212.366,53.703 212.366,53.596 212.439,53.523 213.549,53.523 213.565,53.539 214.7,53.539 214.786,53.626 D4.6@215.002,53.626 215.218,53.626 215.305,53.539 215.522,53.539 215.609,53.626 D4.5@215.825,53.626 216.041,53.626 216.128,53.539 217.875,53.539 218.491,54.155 220.349,54.155 220.45,54.256 220.45,54.359 RJ1.9@219.519,55.29
  Int3 (Sign) w0.113: v4(181.455,66.53) 181.455,66.506 181.585,66.376 181.585,66.268 193.554,54.3 211.296,54.3 211.297,54.301 211.652,54.301 211.968,53.985 212.076,53.985 212.206,53.855 v4(212.23,53.855)
PHY1_MDI3_P: D4.4 D4.7 FPGA.J2_8 RJ1.8 | length 51
  Top Layer w0.124: FPGA.J2_8@177.6,66.1 178.275,66.1 178.388,66.213 178.388,66.264 178.461,66.336 179.041,66.336 179.371,66.666 180.733,66.666 180.964,66.435 180.964,66.327 181.1,66.191 v4(181.1,66.175) ; v4(211.875,53.5) 211.891,53.5 212.027,53.364 212.135,53.364 212.303,53.196 213.684,53.196 213.7,53.212 214.7,53.212 214.786,53.125 D4.7@215.002,53.125 215.218,53.125 215.305,53.212 215.522,53.212 215.609,53.125 D4.4@215.825,53.125 216.041,53.125 216.128,53.212 218.01,53.212 218.626,53.828 220.485,53.828 220.733,54.077 221.903,54.077 RJ1.8@222.059,53.921
  Int3 (Sign) w0.113: v4(181.1,66.175) 181.124,66.175 181.254,66.045 181.362,66.045 193.423,53.984 211.427,53.984 211.428,53.985 211.521,53.985 211.745,53.762 211.745,53.654 211.875,53.524 v4(211.875,53.5)
PHY2_LED0: R18.1 RJ2.12 U3.34 | length 30.5
  Top Layer w0.18: U3.34@207.56,82.3 207.562,82.298 208.231,82.298 v1(208.233,82.296)
  Int2 (Sign) w0.18: v1(208.233,82.296) 208.256,82.273 208.256,81.974 208.467,81.763 212.319,81.763 217.83,76.251 222.885,76.251 226.873,80.239 232.637,80.239 RJ2.12@233.432,79.443
PHY2_LED1: R20.1 RJ2.13 U3.35 | length 36.2
  Top Layer w0.152: v1(207.189,81.9) U3.35@207.56,81.9
  Int2 (Sign) w0.152: v1(207.189,81.9) 207.189,83.11 207.67,83.591 208.382,83.591 209.575,82.398 211.303,82.398 211.785,82.88 213.335,82.88 214.605,84.15 214.605,85.954 219.1,90.449 223.063,90.449 227.203,86.309 232.181,86.309 233.432,87.56 RJ2.13@233.432,87.571
  Bottom Layer w0.152: v1(207.189,81.9) 207.589,81.5 R20.1@208.1,81.5
PHY2_MDI0_N: RJ2.3 U3.2 | length 9.7
  Top Layer w0.124: U3.2@213.375,81.9 213.411,81.863 215.63,81.863 218.272,79.221 220.448,79.221 220.52,79.293 220.52,79.396 RJ2.3@219.589,80.327
PHY2_MDI0_P: RJ2.2 U3.1 | length 10
  Top Layer w0.124: U3.1@213.375,81.5 213.411,81.536 215.494,81.536 218.137,78.894 220.583,78.894 220.804,79.114 221.973,79.114 RJ2.2@222.129,78.958
PHY2_MDI1_N: RJ2.5 U3.5 | length 9.2
  Top Layer w0.124: U3.5@213.375,83.1 213.411,83.063 216.3,83.063 217.602,81.761 220.448,81.761 220.52,81.833 220.52,81.936 RJ2.5@219.589,82.867
PHY2_MDI1_P: RJ2.4 U3.4 | length 9.5
  Top Layer w0.124: U3.4@213.375,82.7 213.411,82.736 216.164,82.736 217.467,81.434 220.583,81.434 220.804,81.654 221.973,81.654 RJ2.4@222.129,81.498
PHY2_MDI2_N: RJ2.7 U3.8 | length 8.6
  Top Layer w0.124: U3.8@213.375,84.3 213.411,84.263 220.41,84.263 220.52,84.373 220.52,84.476 RJ2.7@219.589,85.407
PHY2_MDI2_P: RJ2.6 U3.7 | length 8.9
  Top Layer w0.124: U3.7@213.375,83.9 213.411,83.936 220.546,83.936 220.804,84.194 221.973,84.194 RJ2.6@222.129,84.038
PHY2_MDI3_N: RJ2.9 U3.11 | length 9.2
  Top Layer w0.124: U3.11@213.375,85.5 213.411,85.464 216.319,85.464 217.566,86.711 220.318,86.711 220.52,86.913 220.52,87.016 RJ2.9@219.589,87.947
PHY2_MDI3_P: RJ2.8 U3.10 | length 9.5
  Top Layer w0.124: U3.10@213.375,85.1 213.411,85.136 216.454,85.136 217.701,86.384 220.453,86.384 220.804,86.734 221.973,86.734 RJ2.8@222.129,86.578
PHY2_RSTB: C23.2 R25.1 R27.1 U3.29 | length 6
  Top Layer w0.156: v1(206.527,84.43) 206.566,84.43 206.696,84.3 U3.29@207.56,84.3
  Int3 (Sign) w0.156: v1@206.273,82.067 205.969,82.372 205.969,83.871 v1(206.527,84.43)
  Bottom Layer w0.156: R27.1@204.745,81.397 R27.1@204.745,81.397 C23.2@205.549,81.399 C23.2@205.549,81.399 R25.1@206.35,81.399 206.346,81.399 206.299,81.446 v1(206.299,81.991)
PHY2_RXDLV: R19.2 U3.32 | length 2.6
  Top Layer w0.156: U3.32@207.56,83.1 v1(207.95,83.1)
  Bottom Layer w0.156: R19.2@205.905,82.601 207.451,82.601 v1(207.95,83.1)
PHY2_XTAL1: C9.1 U3.42 Y1.1 | length 12.3
  Top Layer w0.18: Y1.1@204.35,76.05 203.98,76.42 203.305,76.42 203.2,76.525 203.2,76.8 202.65,77.35 C9.1@202.65,77.4 202.65,77.45 202.76,77.56 202.81,77.56 203.875,78.625 209.475,78.625 210.268,79.418 U3.42@210.268,80.792
PHY2_XTAL2: C16.1 U3.43 Y1.3 | length 15.6
  Top Layer w0.18: Y1.3@202.05,74.15 Y1.3@202.15,74.15 ; C16.1@203.75,72.9 203.3,72.9 202.61,73.59 202.61,73.69 Y1.3@202.15,74.15 ; U3.43@210.667,80.792 210.667,79.142 209.725,78.2 206.45,78.2 205.85,77.6 205.85,75.675 205.275,75.1 203.1,75.1 Y1.3@202.15,74.15
PHY_MDC: FPGA.J2_16 U3.30 | length 36
  Top Layer w0.156: FPGA.J2_16@177.6,69.3 185.429,69.3 200.029,83.9 U3.30@207.56,83.9
PHY_MDIO: FPGA.J2_14 R17.2 U3.31 | length 37
  Top Layer w0.156: FPGA.J2_14@177.6,68.5 187.27,68.5 201.981,83.21 v1(206.705,83.21) 206.995,83.5 U3.31@207.56,83.5
  Bottom Layer w0.156: R17.2@205.965,83.456 205.965,83.403 205.971,83.398 206.479,83.398 206.666,83.21 v1(206.705,83.21)
PHY_RST_N: FPGA.J2_42 R27.2 | length 27.7
  Top Layer w0.18: FPGA.J2_42@177.6,79.7 178.811,79.7 179.222,80.112 v1(179.222,80.137)
  Bottom Layer w0.18: v1(179.222,80.137) 203.96,80.137 204.72,80.897 R27.2@204.745,80.897
PLED0: FPGA.J2_44 R47.2 | length 89.6
  Top Layer w0.156: v1(175.743,80.518) 175.761,80.5 FPGA.J2_44@177.6,80.5
  Bottom Layer w0.156: v1(175.743,80.518) 167.767,80.518 160.807,73.558 v1(160.807,70.206) 160.807,61.189 190.83,31.166 v1(205.969,31.166)
PLED1: FPGA.J2_55 R48.2 | length 86.8
  Top Layer w0.156: v1(171.348,85.039) 171.371,85.039 171.632,85.3 FPGA.J2_55@172.9,85.3
  Int3 (Sign) w0.156: v1(162.382,70.206) 162.382,76.073 v1(171.348,85.039)
  Bottom Layer w0.156: v1(162.382,70.206) 162.382,61.925 191.643,32.664 206.451,32.664 v1(207.95,31.166)
PLED2: FPGA.J2_92 R49.2 | length 106
  Top Layer w0.156: v1(175.666,100.762) 175.666,100.305 176.269,99.702 FPGA.J2_92@177.6,99.702
  Int2 (Sign) w0.156: v1(164.16,71.577) 167.077,71.577 174.45,78.95 174.45,98.428 175.666,99.644 v1(175.666,100.762)
  Bottom Layer w0.156: v1(164.16,71.577) 164.16,62.687 192.888,33.96 207.147,33.96 207.239,33.868 207.239,33.858 v1(209.931,31.166)
PLED3: FPGA.J2_95 R50.2 | length 102.7
  Top Layer w0.156: v1(171.069,101.295) 171.072,101.299 172.897,101.299 FPGA.J2_95@172.9,101.302
  Int2 (Sign) w0.156: v1(165.964,72.949) 172.95,79.935 172.95,99.414 v1(171.069,101.295)
  Bottom Layer w0.156: v1(165.964,72.949) 165.964,63.373 193.802,35.535 207.493,35.535 v1(211.861,31.166)
RAWIN1: OPA1.3 SMA1.1 | length 27.7
  Int2 (Sign) w0.254: SMA1.1@11.85,6.2 11.85,17.81 cw(c14.39,17.81) 14.39,20.35 v1(26.5,20.35)
RAWIN2: OPA1.5 SMA2.1 | length 14.4
  Int2 (Sign) w0.254: SMA2.1@23.85,6.2 23.85,16.51 cw(c26.39,16.51) 26.39,19.05 v1(26.5,19.05)
RAWIN3: OPA1.10 SMA3.1 | length 14
  Int2 (Sign) w0.254: v1(33.8,19.05) cw(c33.8,17) 35.85,17 SMA3.1@35.85,6.2
RAWIN4: OPA1.12 SMA4.1 | length 27.1
  Int2 (Sign) w0.254: v1(33.8,20.325) 45.31,20.325 cw(c45.31,17.785) 47.85,17.785 SMA4.1@47.85,6.2